# KiCad board squishy.kicad_pcb
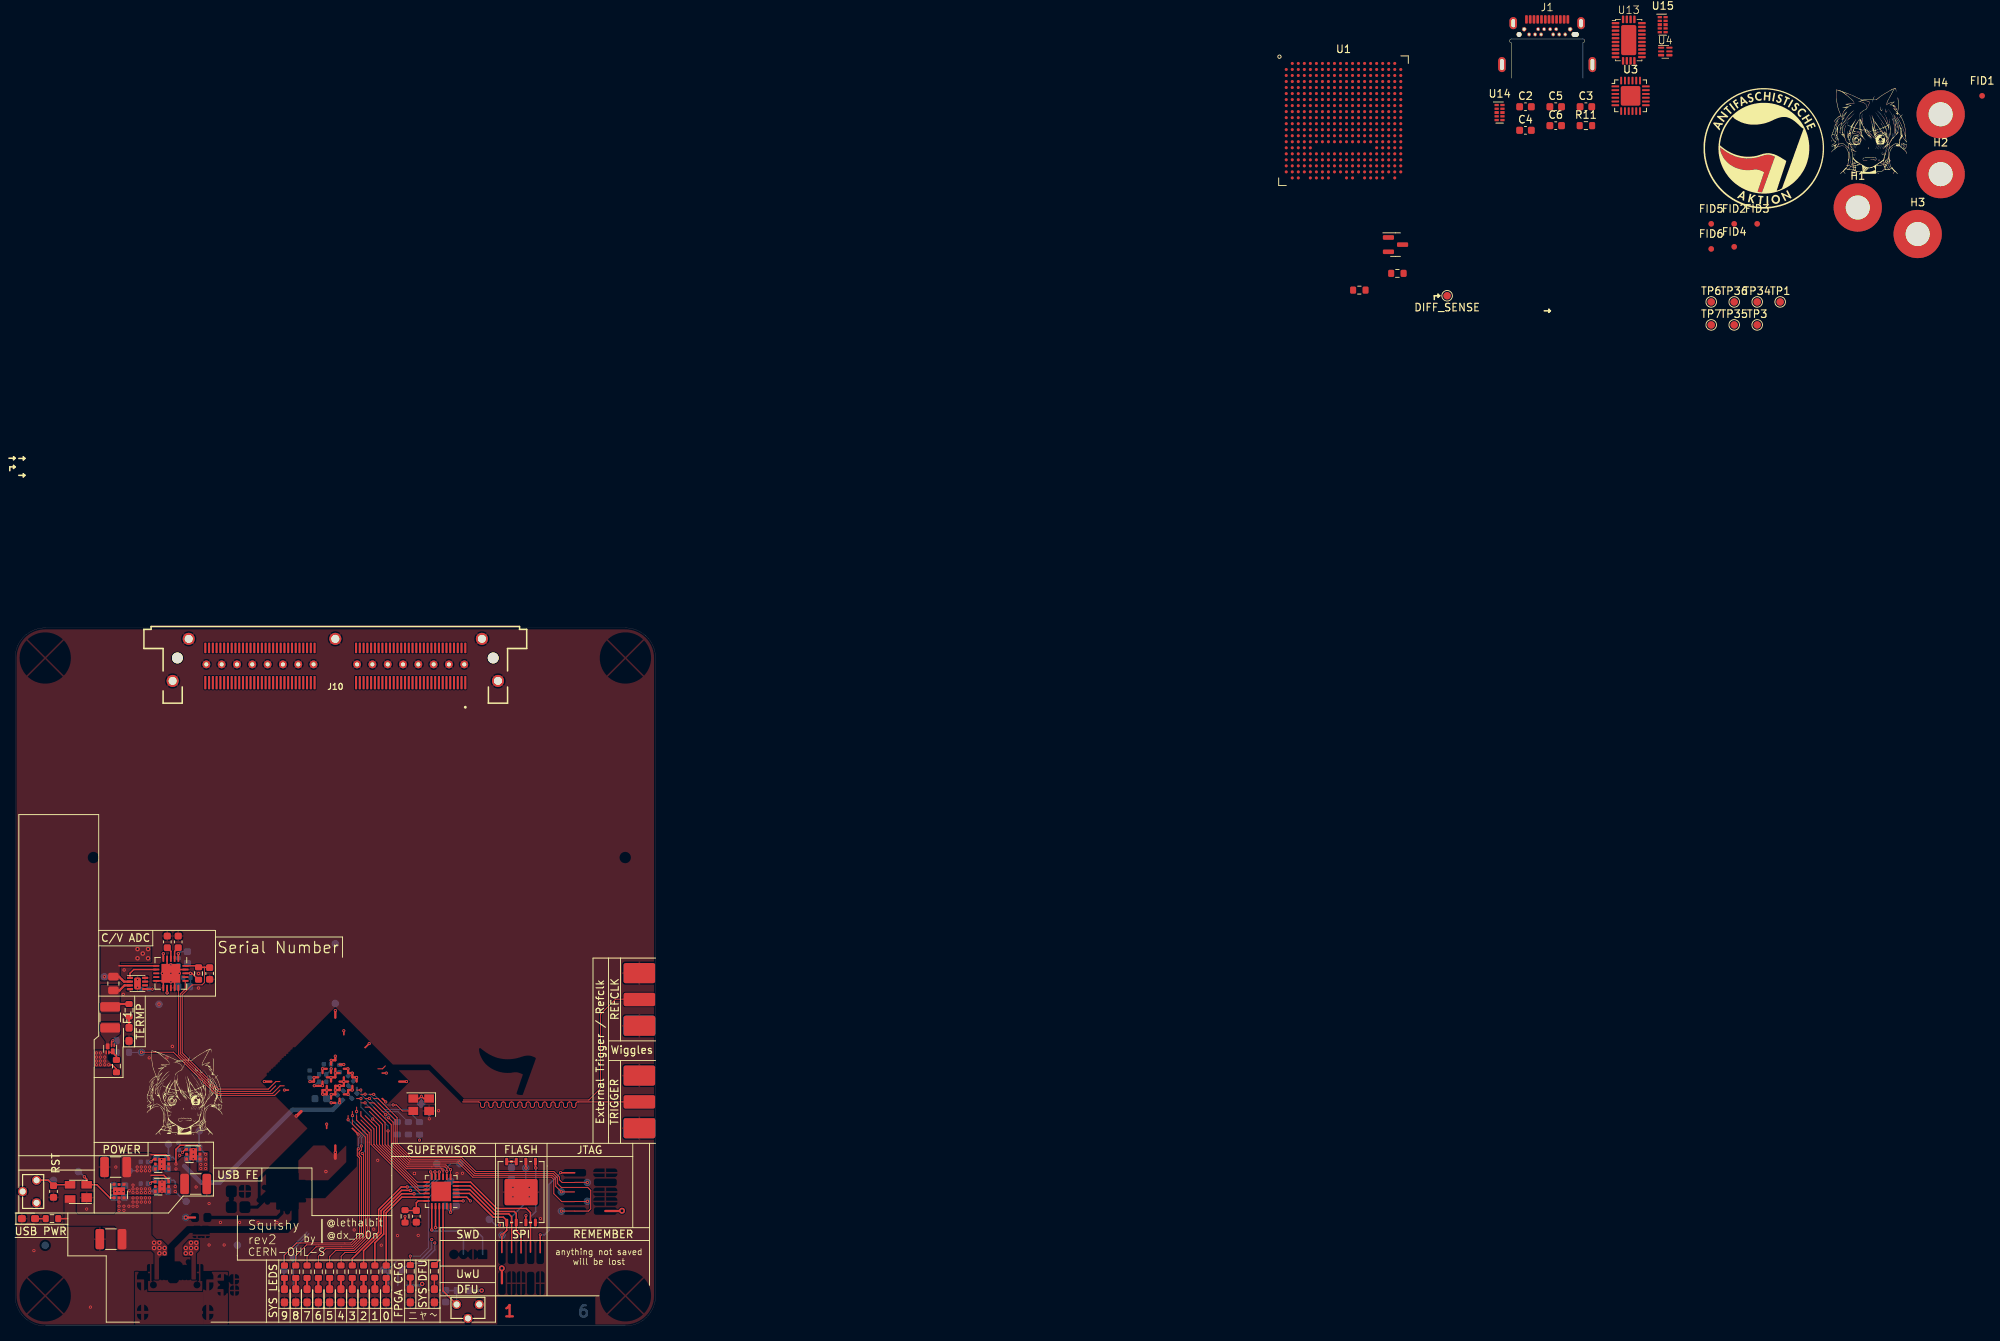
[diagram p0: board, top side]
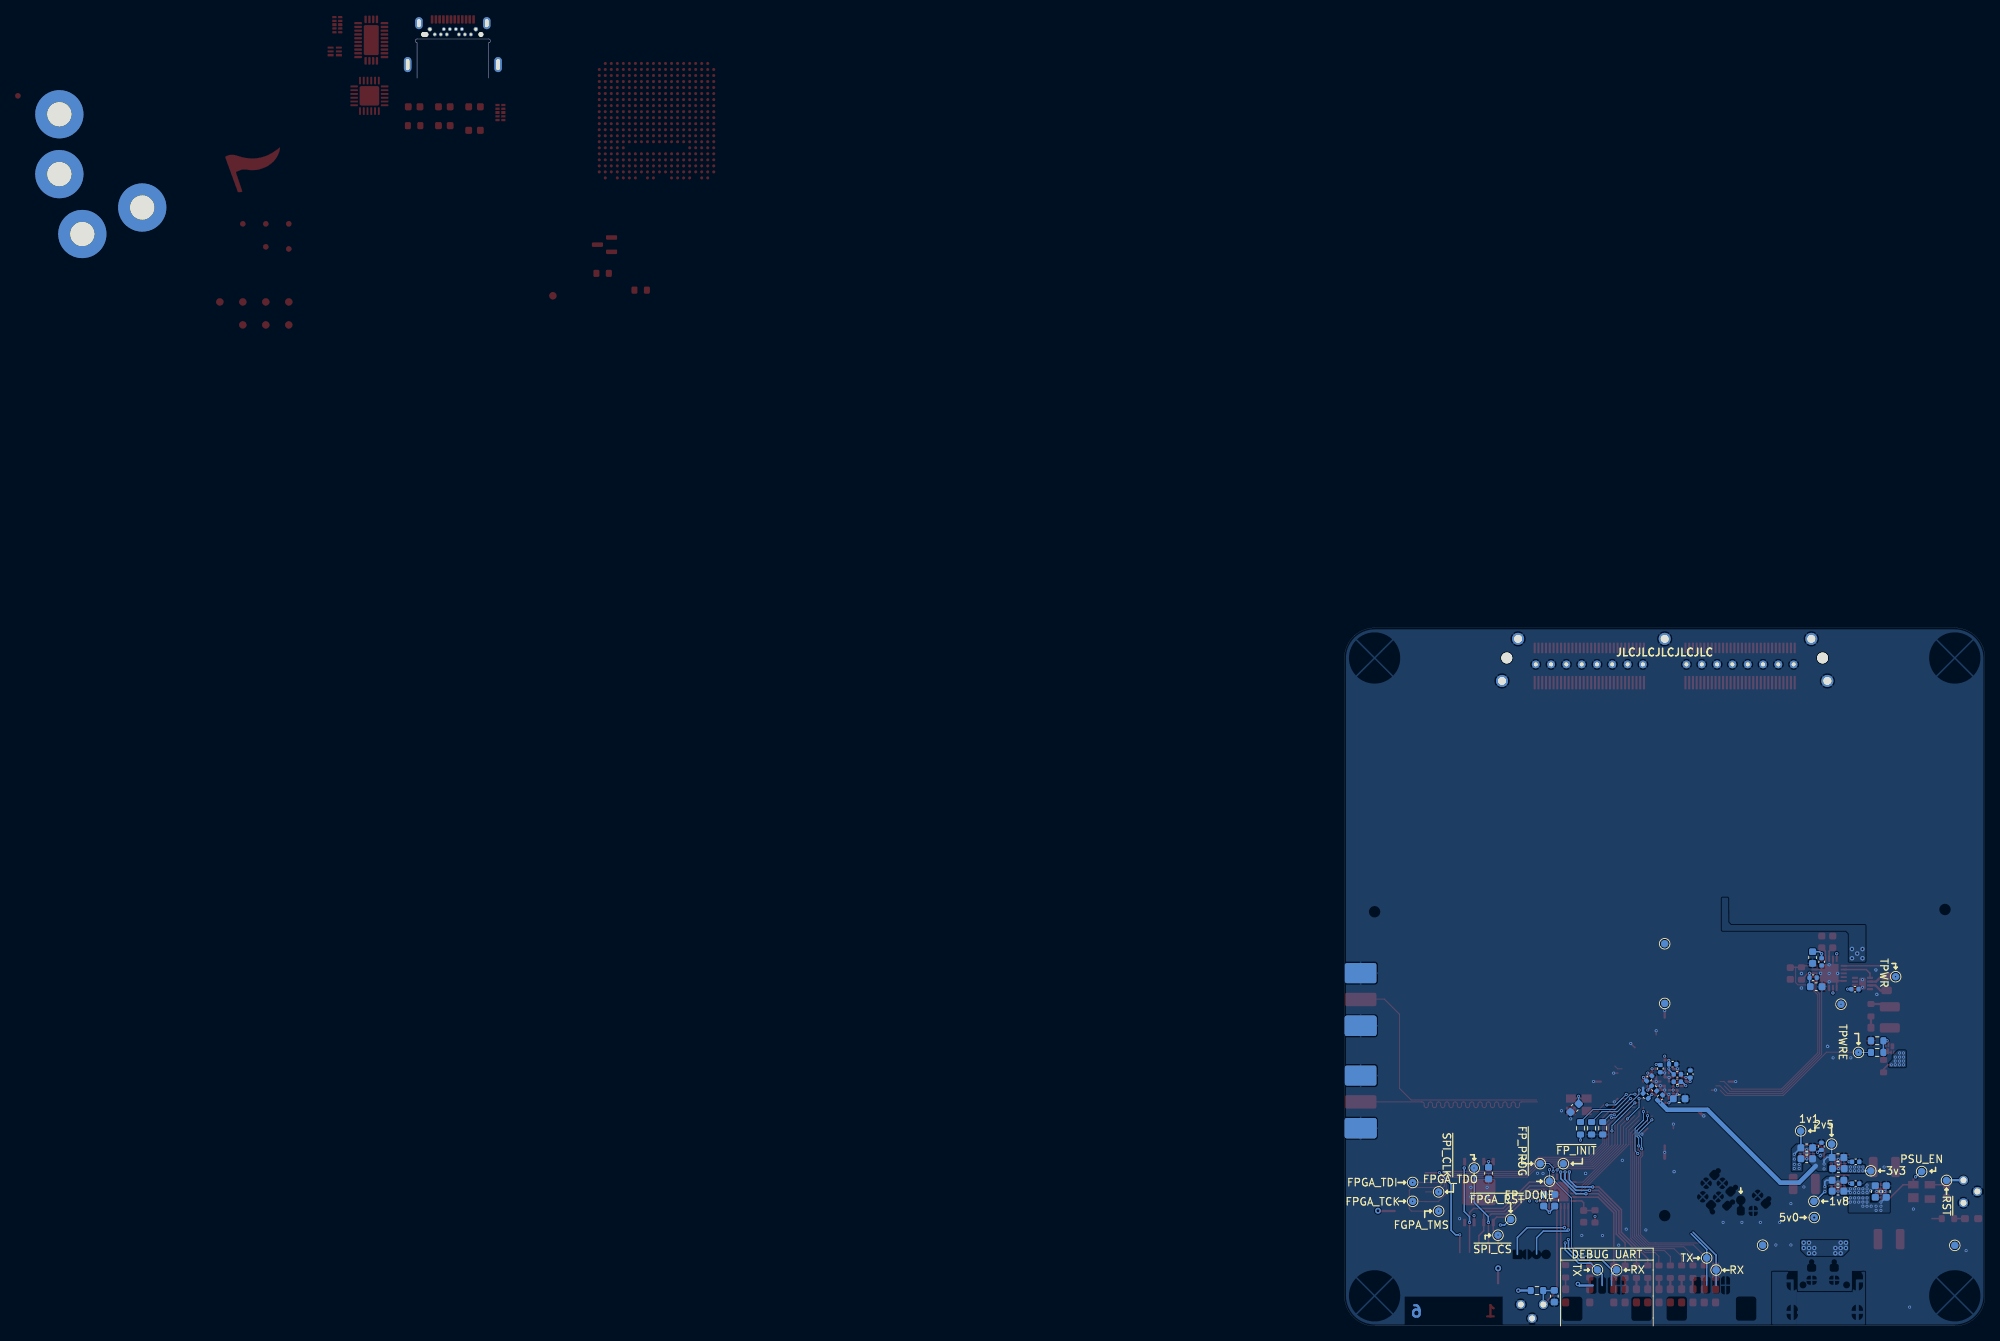
[diagram p1: board, bottom side, seen from below]

Outline 208.33 x 170.9 mm; copper layers: Top, In1.Cu (plane), In2.Cu (plane), In3.Cu, In4.Cu (plane), Bottom. Coordinates in mm from the lower left corner of the outline.
Outline path: 0,88.7 0,4 arc(1.17,1.17) 4,0 81,0 arc(83.83,1.17) 85,4 85,88.7 arc(83.83,91.53) 81,92.7 4,92.7 arc(1.17,91.53) 0,88.7
Stack: Top 0.035mm / dielectric 0.1mm FR4 er 4.05 / In1.Cu 0.0175mm / dielectric 0.565mm FR4 er 4.6 / In2.Cu 0.0175mm / dielectric 0.127mm FR4 er 4.27 / In3.Cu 0.0175mm / dielectric 0.565mm FR4 er 4.6 / In4.Cu 0.0175mm / dielectric 0.1mm FR4 er 4.05 / Bottom 0.035mm

## Placement (name value [footprint] x y rotation side)
C1  0.01uF  [C_0603_1608Metric]  54.45 28.95 315 bottom
C2  0.1uF  [C_0603_1608Metric]  200.45 161.9 0 top
C3  0.1uF  [C_0603_1608Metric]  208.47 161.9 0 top
C4  1uF  [C_0603_1608Metric]  200.45 158.77 0 top
C5  1nF  [C_0603_1608Metric]  204.46 161.9 0 top
C6  0.1uF  [C_0603_1608Metric]  204.46 159.39 0 top
C7  22uF  [C_1210_3225Metric]  23.98 18.85 180 top
C8  47uF  [C_1210_3225Metric]  13.35 21.1 0 top
C9  100uF  [C_1210_3225Metric]  12.73 11.53 180 top
C10  1uF  [C_0603_1608Metric]  5.1 17.85 270 top
C11  0.1uF  [C_0603_1608Metric]  65.88 20.28 270 bottom
C12  0.1uF  [C_0603_1608Metric]  58.55 16.7 90 bottom
C13  1uF  [C_0603_1608Metric]  57.1 16.7 90 bottom
C14  1uF  [C_0603_1608Metric]  53.25 14.55 270 top
C15  0.01uF  [C_0603_1608Metric]  57.15 3.95 270 bottom
C16  1uF  [C_0603_1608Metric]  13.1 17.85 90 bottom
C17  1uF  [C_0603_1608Metric]  14.55 17.85 270 bottom
C18  0.1uF  [C_0402_1005Metric]  40.83 32.43 0 bottom
C19  1uF  [C_0603_1608Metric]  19.45 20.9 0 bottom
C20  0.1uF  [C_0402_1005Metric]  17.15 21.8 180 bottom
C21  0.1uF  [C_0402_1005Metric]  45.03 30.55 45 bottom
C22  0.1uF  [C_0402_1005Metric]  40.83 33.4 180 bottom
C23  0.1uF  [C_0402_1005Metric]  43.9 31.55 225 bottom
C24  1uF  [C_0603_1608Metric]  19.5 22.35 180 bottom
C25  0.1uF  [C_0402_1005Metric]  43.08 34.18 270 bottom
C26  0.1uF  [C_0402_1005Metric]  43.12 30.33 135 bottom
C27  1uF  [C_0603_1608Metric]  19.5 17.9 0 bottom
C28  2.2uF  [C_0603_1608Metric]  40.58 30.18 180 bottom
C29  0.1uF  [C_0402_1005Metric]  44.55 32.88 135 bottom
C30  0.1uF  [C_0402_1005Metric]  39.1 33.45 90 bottom
C31  0.1uF  [C_0402_1005Metric]  41.45 34.75 180 bottom
C32  0.1uF  [C_0402_1005Metric]  17.15 18.9 180 bottom
C33  1uF  [C_0603_1608Metric]  19.5 19.35 180 bottom
C34  1uF  [C_0603_1608Metric]  23.65 22.2 0 bottom
C35  0.1uF  [C_0402_1005Metric]  21.7 23.85 90 bottom
C36  1uF  [C_0603_1608Metric]  23.65 23.65 180 bottom
C37  1uF  [C_0603_1608Metric]  21.65 51 90 top
C38  2.2uF  [C_0603_1608Metric]  20.2 51 90 top
C39  10uF  [C_0603_1608Metric]  22.88 48.93 270 bottom
C40  0.1uF  [C_0402_1005Metric]  21.67 48.35 270 bottom
C41  10uF  [C_0603_1608Metric]  22.4 45.05 180 bottom
C42  0.1uF  [C_0402_1005Metric]  22.8 46.25 180 bottom
C43  0.1uF  [C_0402_1005Metric]  17.25 44.73 0 bottom
C44  1uF  [C_0603_1608Metric]  25.83 46.8 270 top
D1  BLUE  [LED_0603_1608Metric_Pad1.05x0.95mm_HandSolder]  52.45 4 90 top
D2  BLUE  [LED_0603_1608Metric_Pad1.05x0.95mm_HandSolder]  47.75 4 90 top
D3  PINK  [LED_0603_1608Metric_Pad1.05x0.95mm_HandSolder]  44.75 4 90 top
D4  WHITE  [LED_0603_1608Metric_Pad1.05x0.95mm_HandSolder]  41.75 4 90 top
D5  PINK  [LED_0603_1608Metric_Pad1.05x0.95mm_HandSolder]  38.75 4 90 top
D6  BLUE  [LED_0603_1608Metric_Pad1.05x0.95mm_HandSolder]  35.75 4 90 top
D7  WHITE  [LED_0603_1608Metric_Pad1.05x0.95mm_HandSolder]  15.12 38.73 90 top
D8  BLUE  [LED_0603_1608Metric_Pad1.05x0.95mm_HandSolder]  49.25 4 90 top
D9  PINK  [LED_0603_1608Metric_Pad1.05x0.95mm_HandSolder]  46.25 4 90 top
D10  WHITE  [LED_0603_1608Metric_Pad1.05x0.95mm_HandSolder]  43.25 4 90 top
D11  PINK  [LED_0603_1608Metric_Pad1.05x0.95mm_HandSolder]  40.25 4 90 top
D12  BLUE  [LED_0603_1608Metric_Pad1.05x0.95mm_HandSolder]  37.25 4 90 top
D13  PINK  [LED_0603_1608Metric_Pad1.05x0.95mm_HandSolder]  55.65 4 90 top
D14  WHITE  [LED_0603_1608Metric_Pad1.05x0.95mm_HandSolder]  1.78 14.25 0 top
F1  250mA  [Fuse_1210_3225Metric]  12.62 40.98 270 top
FID1  Fiducial  [Fiducial_0.75mm_Mask1.5mm]  261.05 163.35 0 top
FID2  Fiducial  [Fiducial_0.75mm_Mask1.5mm]  228.15 146.35 0 top
FID3  Fiducial  [Fiducial_0.75mm_Mask1.5mm]  231.2 146.35 0 top
FID4  Fiducial  [Fiducial_0.75mm_Mask1.5mm]  228.15 143.3 0 top
FID5  Fiducial  [Fiducial_0.75mm_Mask1.5mm]  225.1 146.35 0 top
FID6  Fiducial  [Fiducial_0.75mm_Mask1.5mm]  225.1 143.02 0 top
G1  Ran-Filled  [yuki_10x11]  246.08 158.87 0 top
G2  Antifaschistische_Aktion  [Antifaschistische-Aktion_Inv_600dpi]  232.08 156.35 0 top
G2#2  Ran-Filled  [yuki_10x11]  22.5 31.3 0 top
H1  MountingHole  [MountingHole_3.2mm_M3_Pad]  244.55 148.52 0 top
H2  MountingHole  [MountingHole_3.2mm_M3_Pad]  255.55 152.95 0 top
H3  MountingHole  [MountingHole_3.2mm_M3_Pad]  252.5 145 0 top
H4  MountingHole  [MountingHole_3.2mm_M3_Pad]  255.55 160.9 0 top
J1  USB_C_Receptacle  [USB-3.1-Type-C_In-PCB]  203.32 171.1 0 top
J8  TRIGGER  [Molex_SMA_732512120]  85 29.75 270 top
J9  REFCLK  [Molex_SMA_732512120]  85 43.35 270 top
J10  QXH-060  [QTH-060-01-X-D-RA-PGP]  42.5 88.7 0 top
Q2  Q_NMOS_GSD  [SOT-23]  183.2 143.59 0 top
Q3  Q_NMOS_PMOS_D1G2S2D2G1S1  [X2-DFN1310-6]  12.62 36.8 180 top
R4  4k7  [R_0603_1608Metric]  52.45 7.25 270 top
R5  4k7  [R_0603_1608Metric]  47.75 7.2 270 top
R6  10k  [R_0603_1608Metric]  44.75 7.2 270 top
R7  6k8  [R_0603_1608Metric]  41.75 7.2 270 top
R8  10k  [R_0603_1608Metric]  38.75 7.2 270 top
R9  4k7  [R_0603_1608Metric]  35.75 7.2 270 top
R11  1M  [R_0603_1608Metric]  208.47 159.39 0 top
R14  10k  [R_0603_1608Metric]  178.4 137.55 0 top
R15  30k  [R_0603_1608Metric]  15.12 41.93 270 top
R16  10k  [R_0603_1608Metric]  183.45 139.78 0 top
R17  10k  [R_0603_1608Metric]  13.45 34.5 90 top
R18  10k  [R_0603_1608Metric]  14.3 37.88 0 bottom
R19  4k7  [R_0603_1608Metric]  49.25 7.2 270 top
R20  10k  [R_0603_1608Metric]  46.25 7.2 270 top
R21  6k8  [R_0603_1608Metric]  43.25 7.2 270 top
R22  10k  [R_0603_1608Metric]  40.25 7.2 270 top
R23  4k7  [R_0603_1608Metric]  37.25 7.2 270 top
R24  10k  [R_0603_1608Metric]  55.65 7.25 270 top
R25  10k  [R_0603_1608Metric]  51.75 14.55 90 top
R26  10k  [R_0603_1608Metric]  59.45 4.7 180 bottom
R27  10k  [R_0603_1608Metric]  53.67 26.25 90 bottom
R28  10k  [R_0603_1608Metric]  52.2 26.25 270 bottom
R29  10k  [R_0603_1608Metric]  50.72 26.25 270 bottom
R30  100m  [R_0805_2012Metric]  13.05 45.48 90 top
R31  1k  [R_0603_1608Metric]  14.3 36.33 180 bottom
R32  10k  [R_0603_1608Metric]  4.9 14.25 180 top
R33  10k  [R_0603_1608Metric]  24.35 46.8 90 top
SW1  RST  [SW_Tactile_SPST_Angled_TC-1109DE]  2.85 17.85 90 top
SW2  DFU  [SW_Tactile_SPST_Angled_TC-1109DE]  60.1 2.85 180 top
TP1  SU_SWDIO  [TestPoint_Pad_D1.0mm]  234.25 135.98 0 top
TP2  TPWR  [TestPoint_Pad_D1.0mm]  11.85 46.38 270 bottom
TP3  SU_SWCLK  [TestPoint_Pad_D1.0mm]  231.2 132.93 0 top
TP4  RX  [TestPoint_Pad_D1.0mm]  35.67 7.43 0 bottom
TP5  TX  [TestPoint_Pad_D1.0mm]  36.92 9.03 180 bottom
TP6  PD_SWDIO  [TestPoint_Pad_D1.0mm]  225.1 135.98 0 top
TP7  PD_SWCLK  [TestPoint_Pad_D1.0mm]  225.1 132.93 0 top
TP8  TPWRE  [TestPoint_Pad_D1.0mm]  16.77 36.33 270 bottom
TP9  2v5  [TestPoint_Pad_D1.0mm]  20.35 24.15 0 bottom
TP10  5v0  [TestPoint_Pad_D1.0mm]  22.65 14.4 180 bottom
TP11  3v3  [TestPoint_Pad_D1.0mm]  15.15 20.6 0 bottom
TP12  1v8  [TestPoint_Pad_D1.0mm]  22.7 16.55 0 bottom
TP13  GND  [TestPoint_Pad_D1.0mm]  42.5 42.83 180 bottom
TP14  GND  [TestPoint_Pad_D1.0mm]  29.5 10.73 180 bottom
TP15  GND  [TestPoint_Pad_D1.0mm]  4 10.7 180 bottom
TP16  GND  [TestPoint_Pad_D1.0mm]  19.1 42.73 180 bottom
TP17  GND  [TestPoint_Pad_D1.0mm]  42.5 50.75 180 bottom
TP18  ~{SPI_CS}  [TestPoint_Pad_D1.0mm]  64.62 12.05 180 bottom
TP19  ~{SPI_CLK}  [TestPoint_Pad_D1.0mm]  67.78 20.98 270 bottom
TP20  1v1  [TestPoint_Pad_D1.0mm]  24.45 25.9 0 bottom
TP21  ~{RST}  [TestPoint_Pad_D1.0mm]  5.1 19.32 270 bottom
TP22  PSU_EN  [TestPoint_Pad_D1.0mm]  8.4 20.5 0 bottom
TP23  ~{FPGA_RST}  [TestPoint_Pad_D1.0mm]  62.94 14.15 180 bottom
TP24  DIFF_SENSE  [TestPoint_Pad_D1.0mm]  190.05 136.8 0 top
TP25  FGPA_TMS  [TestPoint_Pad_D1.0mm]  72.5 15.25 180 bottom
TP26  FPGA_TCK  [TestPoint_Pad_D1.0mm]  75.95 16.55 0 bottom
TP27  FPGA_TDO  [TestPoint_Pad_D1.0mm]  72.5 17.8 0 bottom
TP28  FPGA_TDI  [TestPoint_Pad_D1.0mm]  75.95 19.05 0 bottom
TP29  ~{FP_INIT}  [TestPoint_Pad_D1.0mm]  55.95 21.55 0 bottom
TP30  ~{FP_PROG}  [TestPoint_Pad_D1.0mm]  59.03 21.55 270 bottom
TP31  FP_DONE  [TestPoint_Pad_D1.0mm]  57.8 19.23 180 bottom
TP32  TX  [TestPoint_Pad_D1.0mm]  51.42 7.45 270 bottom
TP33  RX  [TestPoint_Pad_D1.0mm]  48.88 7.45 180 bottom
TP34  ~{DFU_TRIG}  [TestPoint_Pad_D1.0mm]  231.2 135.98 0 top
TP35  CIPO  [TestPoint_Pad_D1.0mm]  228.15 132.93 0 top
TP36  COPI  [TestPoint_Pad_D1.0mm]  228.15 135.98 0 top
U1  LFE5UM5G-45F-8BG381C  [318caBGA]  176.3 160.05 0 top
U2  W25N01GVZEIG  [WSON-8-1EP-6.0x8.0mm]  67.15 17.78 90 top
U3  CYPD3174-24  [QFN-24-1EP_4x4mm_P0.5mm_EP2.6x2.6mm]  214.4 163.35 0 top
U4  SP3400-02UTG  [UDFN-6L]  219 169.2 0 top
U5  APX811-40UG-7  [SOT-143]  8.4 17.8 180 top
U6  ATSAMD09D14A-M  [QFN-24-1EP_4x4mm_P0.5mm_EP2.6x2.6mm#2]  56.55 17.85 180 top
U7  TPS73733DRVR  [WSON-6-1EP_2x2mm_P0.65mm_EP1x1.6mm]  13.8 17.9 270 top
U8  TPS7A1125PDRVT  [WSON-6-1EP_2x2mm_P0.65mm_EP1x1.6mm]  19.5 21.5 180 top
U9  TPS7A1118PDRVT  [WSON-6-1EP_2x2mm_P0.65mm_EP1x1.6mm]  19.5 18.5 180 top
U10  TPS720115QDRVRQ1  [WSON-6-1EP_2x2mm_P0.65mm_EP1x1.6mm]  23.65 22.8 180 top
U11  AD7091R-5  [QFN-20-1EP_4x4mm_P0.5mm_EP2.5x2.5mm]  20.67 46.83 270 top
U12  INAx180  [WSON_8_2x2mm_1EP]  16.25 45.48 0 top
U13  HD3SS460  [WQFN-28-1EP_3.5x5.5_P0.5mm_EP2x4mm]  214.15 170.75 0 top
U14  TPD4E02B04DQA  [USON-10_2.5x1.0mm_P0.5mm]  197.01 161.13 0 top
U15  TPD4E02B04DQA  [USON-10_2.5x1.0mm_P0.5mm]  218.66 172.8 0 top
X1  16MHz  [Oscillator_SMD_Abracon_ASE-4Pin_3.2x2.5mm]  53.9 29.38 180 top

## Library data of the parts
C1 C15 = -: MFR: KEMET; MPN: C0402C103K3RACTU
C2 C3 C6 = -: MFR: KEMET; MPN: C0603C104M5RACTU
C4 C10 C13 C14 C16 C17 C19 C24 C27 C33 C34 C36 C37 C44 = -: MFR: Taiyo Yuden; MPN: UMK107BJ105KA-T
C7 = -: MFR: Taiyo Yuden
C8 = -: MFR: Taiyo Yuden; MPN: EMK325ABJ476KMHP
C9 = -: MFR: KEMET; MPN: C1210C107M4PAC7800
C11 C12 = -: MFR: KEMET; MPN: C0402C104M8PACTU
D1 D2 D6 D8 D12 = -: MFR: Wurth Electronics; MPN: 150060BS75000
D3 D5 D9 D11 D13 = -: MFR: Optosupply; MPN: OSK40603C1E
D4 D7 D10 D14 = -: MFR: ROHM Semiconductor; MPN: SMLEN3WBC8W1
F1 = -: MFR: Bel Fuse; MPN: 0ZCH0050FF2G
FID1-FID6 G1 G2 G2#2 H1-H4 TP1-TP36 = -: MFR: N/A; MPN: N/A
J1 = -: MFR: Jing ext of Electronic Co.; MPN: 918-418K2022C40000
J8 J9 = -: MFR: Molex; MPN: 732512120
J10 = -: MFR: samtec; MPN: QTH-060-01-X-D-RA-PGP
Q2 = -: MFR: Diodes Inc; MPN: DMN65D8L-7
Q3 = -: MFR: Diodes Inc; MPN: DMC3730UFL3
R4 R5 R9 R19 R23 = -: MFR: Vishay Dale; MPN: CRCW06034K70FKEA
R6 R8 R14 R16-R18 R20 R22 R24-R29 R33 = -: MFR: Vishay Dale; MPN: CRCW060310K0FKEA
R7 R21 R32 = -: MFR: Vishay Dale; MPN: CRCW06036K80FKEA
R11 = -: MFR: Vishay Dale; MPN: CRCW06031M00FKEA
R15 = -: MFR: YAGEO; MPN: RC0603FR-0730KL
SW1 = -: MFR: XKB Connectivity; MPN: TC-1109DE-C-D; Field6: A; Field7: K; Field8: J; Field9: G; Field10: L; Field11: E; Field12: I; Field13: F; Field14: B; Field15: H
SW2 = -: MFR: XKB Connectivity; MPN: TC-1109DE-C-D
U1 = -: MFR: Lattice
U2 = -: MFR: Winbond; MPN: W25N01GVZEIG TR
U3 = -: MFR: Cypress; MPN: CYPD3174-24LQXQ; OC_FARNELL: 2896248; URL_FARNELL: https://uk.farnell.com/cypress-semiconductor/cypd3174-24lqxq/usb-type-c-pd-controller-qfn-24/dp/2896248
U4 = -: MFR: Littlefuse
U5 = -: MFR: Diodes Incorporated
U6 = -: MFR: Microchip; MPN: ATSAMD09D14A-MUT
U7-U10 U14 U15 = -: MFR: Texas Instruments
U11 = -: MFR: Analog Devices; MPN: AD7091R-5BCPZ-RL7
U12 = -: MFR: Texas Instruments; MPN: INA2180A3IDSGR
U13 = -: MFR: Texas Instruments; OC_TI: HD3SS460RHRT; URL_TI: https://www.ti.com/product/HD3SS460
X1 = -: MFR: Abracon; MPN: ASEMB-16.000MHZ-LY-T

## Footprints (pads in the part's own frame, mm; a bottom-side part is the same pattern mirrored in y, then rotated)
318caBGA
  round 0.4 smd: A2(-6.8,7.6) A3(-6,7.6) A4(-5.2,7.6) A5(-4.4,7.6) A6(-3.6,7.6) A7(-2.8,7.6) A8(-2,7.6) A9(-1.2,7.6) A10(-0.4,7.6) A11(0.4,7.6) A12(1.2,7.6) A13(2,7.6) A14(2.8,7.6) A15(3.6,7.6) A16(4.4,7.6) A17(5.2,7.6) A18(6,7.6) A19(6.8,7.6) B1(-7.6,6.8) B2(-6.8,6.8) B3(-6,6.8) B4(-5.2,6.8) B5(-4.4,6.8) B6(-3.6,6.8) B7(-2.8,6.8) B8(-2,6.8) B9(-1.2,6.8) B10(-0.4,6.8) B11(0.4,6.8) B12(1.2,6.8) B13(2,6.8) B14(2.8,6.8) B15(3.6,6.8) B16(4.4,6.8) B17(5.2,6.8) B18(6,6.8) B19(6.8,6.8) B20(7.6,6.8) C1(-7.6,6) C2(-6.8,6) C3(-6,6) C4(-5.2,6) C5(-4.4,6) C6(-3.6,6) C7(-2.8,6) C8(-2,6) C9(-1.2,6) C10(-0.4,6) C11(0.4,6) C12(1.2,6) C13(2,6) C14(2.8,6) C15(3.6,6) C16(4.4,6) C17(5.2,6) C18(6,6) C19(6.8,6) C20(7.6,6) D1(-7.6,5.2) D2(-6.8,5.2) D3(-6,5.2) D4(-5.2,5.2) D5(-4.4,5.2) D6(-3.6,5.2) D7(-2.8,5.2) D8(-2,5.2) D9(-1.2,5.2) D10(-0.4,5.2) D11(0.4,5.2) D12(1.2,5.2) D13(2,5.2) D14(2.8,5.2) D15(3.6,5.2) D16(4.4,5.2) D17(5.2,5.2) D18(6,5.2) D19(6.8,5.2) D20(7.6,5.2) E1(-7.6,4.4) E2(-6.8,4.4) E3(-6,4.4) E4(-5.2,4.4) E5(-4.4,4.4) E6(-3.6,4.4) E7(-2.8,4.4) E8(-2,4.4) E9(-1.2,4.4) E10(-0.4,4.4) E11(0.4,4.4) E12(1.2,4.4) E13(2,4.4) E14(2.8,4.4) E15(3.6,4.4) E16(4.4,4.4) E17(5.2,4.4) E18(6,4.4) E19(6.8,4.4) E20(7.6,4.4) F1(-7.6,3.6) F2(-6.8,3.6) F3(-6,3.6) F4(-5.2,3.6) F5(-4.4,3.6) F6(-3.6,3.6) F7(-2.8,3.6) F8(-2,3.6) F9(-1.2,3.6) F10(-0.4,3.6) F11(0.4,3.6) F12(1.2,3.6) F13(2,3.6) F14(2.8,3.6) F15(3.6,3.6) F16(4.4,3.6) F17(5.2,3.6) F18(6,3.6) F19(6.8,3.6) F20(7.6,3.6) G1(-7.6,2.8) G2(-6.8,2.8) G3(-6,2.8) G4(-5.2,2.8) G5(-4.4,2.8) G6(-3.6,2.8) G7(-2.8,2.8) G8(-2,2.8) G9(-1.2,2.8) G10(-0.4,2.8) G11(0.4,2.8) G12(1.2,2.8) G13(2,2.8) G14(2.8,2.8) G15(3.6,2.8) G16(4.4,2.8) G17(5.2,2.8) G18(6,2.8) G19(6.8,2.8) G20(7.6,2.8) H1(-7.6,2) H2(-6.8,2) H3(-6,2) H4(-5.2,2) H5(-4.4,2) H6(-3.6,2) H7(-2.8,2) H8(-2,2) H9(-1.2,2) H10(-0.4,2) H11(0.4,2) H12(1.2,2) H13(2,2) H14(2.8,2) H15(3.6,2) H16(4.4,2) H17(5.2,2) H18(6,2) H19(6.8,2) H20(7.6,2) J1(-7.6,1.2) J2(-6.8,1.2) J3(-6,1.2) J4(-5.2,1.2) J5(-4.4,1.2) J6(-3.6,1.2) J7(-2.8,1.2) J8(-2,1.2) J9(-1.2,1.2) J10(-0.4,1.2) J11(0.4,1.2) J12(1.2,1.2) J13(2,1.2) J14(2.8,1.2) J15(3.6,1.2) J16(4.4,1.2) J17(5.2,1.2) J18(6,1.2) J19(6.8,1.2) J20(7.6,1.2) K1(-7.6,0.4) K2(-6.8,0.4) K3(-6,0.4) K4(-5.2,0.4) K5(-4.4,0.4) K6(-3.6,0.4) K7(-2.8,0.4) K8(-2,0.4) K9(-1.2,0.4) K10(-0.4,0.4) K11(0.4,0.4) K12(1.2,0.4) K13(2,0.4) K14(2.8,0.4) K15(3.6,0.4) K16(4.4,0.4) K17(5.2,0.4) K18(6,0.4) K19(6.8,0.4) K20(7.6,0.4) L1(-7.6,-0.4) L2(-6.8,-0.4) L3(-6,-0.4) L4(-5.2,-0.4) L5(-4.4,-0.4) L6(-3.6,-0.4) L7(-2.8,-0.4) L8(-2,-0.4) L9(-1.2,-0.4) L10(-0.4,-0.4) L11(0.4,-0.4) L12(1.2,-0.4) L13(2,-0.4) L14(2.8,-0.4) L15(3.6,-0.4) L16(4.4,-0.4) L17(5.2,-0.4) L18(6,-0.4) L19(6.8,-0.4) L20(7.6,-0.4) M1(-7.6,-1.2) M2(-6.8,-1.2) M3(-6,-1.2) M4(-5.2,-1.2) M5(-4.4,-1.2) M6(-3.6,-1.2) M7(-2.8,-1.2) M8(-2,-1.2) M9(-1.2,-1.2) M10(-0.4,-1.2) M11(0.4,-1.2) M12(1.2,-1.2) M13(2,-1.2) M14(2.8,-1.2) M15(3.6,-1.2) M16(4.4,-1.2) M17(5.2,-1.2) M18(6,-1.2) M19(6.8,-1.2) M20(7.6,-1.2) N1(-7.6,-2) N2(-6.8,-2) N3(-6,-2) N4(-5.2,-2) N5(-4.4,-2) N6(-3.6,-2) N7(-2.8,-2) N8(-2,-2) N9(-1.2,-2) N10(-0.4,-2) N11(0.4,-2) N12(1.2,-2) N13(2,-2) N14(2.8,-2) N15(3.6,-2) N16(4.4,-2) N17(5.2,-2) N18(6,-2) N19(6.8,-2) N20(7.6,-2) P1(-7.6,-2.8) P2(-6.8,-2.8) P3(-6,-2.8) P4(-5.2,-2.8) P5(-4.4,-2.8) P6(-3.6,-2.8) P7(-2.8,-2.8) P8(-2,-2.8) P9(-1.2,-2.8) P10(-0.4,-2.8) P11(0.4,-2.8) P12(1.2,-2.8) P13(2,-2.8) P14(2.8,-2.8) P15(3.6,-2.8) P16(4.4,-2.8) P17(5.2,-2.8) P18(6,-2.8) P19(6.8,-2.8) P20(7.6,-2.8) R1(-7.6,-3.6) R2(-6.8,-3.6) R3(-6,-3.6) R4(-5.2,-3.6) R5(-4.4,-3.6) R16(4.4,-3.6) R17(5.2,-3.6) R18(6,-3.6) R19(6.8,-3.6) R20(7.6,-3.6) T1(-7.6,-4.4) T2(-6.8,-4.4) T3(-6,-4.4) T4(-5.2,-4.4) T5(-4.4,-4.4) T6(-3.6,-4.4) T7(-2.8,-4.4) T8(-2,-4.4) T9(-1.2,-4.4) T10(-0.4,-4.4) T11(0.4,-4.4) T12(1.2,-4.4) T13(2,-4.4) T14(2.8,-4.4) T15(3.6,-4.4) T16(4.4,-4.4) T17(5.2,-4.4) T18(6,-4.4) T19(6.8,-4.4) T20(7.6,-4.4) U1(-7.6,-5.2) U2(-6.8,-5.2) U3(-6,-5.2) U4(-5.2,-5.2) U5(-4.4,-5.2) U6(-3.6,-5.2) U7(-2.8,-5.2) U8(-2,-5.2) U9(-1.2,-5.2) U10(-0.4,-5.2) U11(0.4,-5.2) U12(1.2,-5.2) U13(2,-5.2) U14(2.8,-5.2) U15(3.6,-5.2) U16(4.4,-5.2) U17(5.2,-5.2) U18(6,-5.2) U19(6.8,-5.2) U20(7.6,-5.2) V1(-7.6,-6) V2(-6.8,-6) V3(-6,-6) V4(-5.2,-6) V5(-4.4,-6) V6(-3.6,-6) V7(-2.8,-6) V8(-2,-6) V9(-1.2,-6) V10(-0.4,-6) V11(0.4,-6) V12(1.2,-6) V13(2,-6) V14(2.8,-6) V15(3.6,-6) V16(4.4,-6) V17(5.2,-6) V18(6,-6) V19(6.8,-6) V20(7.6,-6) W1(-7.6,-6.8) W2(-6.8,-6.8) W3(-6,-6.8) W4(-5.2,-6.8) W5(-4.4,-6.8) W6(-3.6,-6.8) W7(-2.8,-6.8) W8(-2,-6.8) W9(-1.2,-6.8) W10(-0.4,-6.8) W11(0.4,-6.8) W12(1.2,-6.8) W13(2,-6.8) W14(2.8,-6.8) W15(3.6,-6.8) W16(4.4,-6.8) W17(5.2,-6.8) W18(6,-6.8) W19(6.8,-6.8) W20(7.6,-6.8) Y2(-6.8,-7.6) Y3(-6,-7.6) Y5(-4.4,-7.6) Y6(-3.6,-7.6) Y7(-2.8,-7.6) Y8(-2,-7.6) Y11(0.4,-7.6) Y12(1.2,-7.6) Y14(2.8,-7.6) Y15(3.6,-7.6) Y16(4.4,-7.6) Y17(5.2,-7.6) Y19(6.8,-7.6)
C_0402_1005Metric
  rrect 0.56x0.62 smd: 1(-0.48,0) 2(0.48,0)
C_0603_1608Metric
  rrect 0.9x0.95 smd: 1(-0.775,0) 2(0.775,0)
C_1210_3225Metric
  rrect 1.15x2.7 smd: 1(-1.475,0) 2(1.475,0)
Fiducial_0.75mm_Mask1.5mm
  round 0.75 smd: (0,0)
Fuse_1210_3225Metric
  rrect 1.25x2.65 smd: 1(-1.4,0) 2(1.4,0)
LED_0603_1608Metric_Pad1.05x0.95mm_HandSolder
  rrect 1.05x0.95 smd: 1(-0.875,0) 2(0.875,0)
Molex_SMA_732512120
  rrect 1.78x4.19 smd: 1(0,-2.15)
  rrect 2.665x4.19 smd: 2(-3.5,-2.15) 2(3.493,-2.14)
  rrect 2.665x4.19 smd far side: 2(-3.5,-2.15) 2(3.49,-2.14) 2(3.493,-2.15) 2(3.493,-2.15)
MountingHole_3.2mm_M3_Pad
  round 6.4 hole 3.2: 1(0,0)
Oscillator_SMD_Abracon_ASE-4Pin_3.2x2.5mm
  rect 1.3x1.1 smd: 1(-1.05,-0.825) 2(1.05,-0.825) 3(1.05,0.825) 4(-1.05,0.825)
QFN-20-1EP_4x4mm_P0.5mm_EP2.5x2.5mm
  rrect 1.01x1.01 smd: (-0.625,0.625) (-0.625,-0.625) (0.625,0.625) (0.625,-0.625)
  rrect 0.825x0.25 smd: 1(-1.938,1) 2(-1.938,0.5) 3(-1.938,0) 4(-1.938,-0.5) 5(-1.938,-1) 11(1.938,-1) 12(1.938,-0.5) 13(1.938,0) 14(1.938,0.5) 15(1.938,1)
  rrect 0.25x0.825 smd: 6(-1,-1.938) 7(-0.5,-1.938) 8(0,-1.938) 9(0.5,-1.938) 10(1,-1.938) 16(1,1.938) 17(0.5,1.938) 18(0,1.938) 19(-0.5,1.938) 20(-1,1.938)
  rect 2.5x2.5 smd: 21(0,0)
QFN-24-1EP_4x4mm_P0.5mm_EP2.6x2.6mm
  rrect 1.05x1.05 smd: (-0.65,0.65) (-0.65,-0.65) (0.65,0.65) (0.65,-0.65)
  rrect 1x0.25 smd: 1(-2.025,1.25) 2(-2.025,0.75) 3(-2.025,0.25) 4(-2.025,-0.25) 5(-2.025,-0.75) 6(-2.025,-1.25) 13(2.025,-1.25) 14(2.025,-0.75) 15(2.025,-0.25) 16(2.025,0.25) 17(2.025,0.75) 18(2.025,1.25)
  rrect 0.25x1 smd: 7(-1.25,-2.025) 8(-0.75,-2.025) 9(-0.25,-2.025) 10(0.25,-2.025) 11(0.75,-2.025) 12(1.25,-2.025) 19(1.25,2.025) 20(0.75,2.025) 21(0.25,2.025) 22(-0.25,2.025) 23(-0.75,2.025) 24(-1.25,2.025)
  rrect 2.6x2.6 smd: 25(0,0)
QFN-24-1EP_4x4mm_P0.5mm_EP2.6x2.6mm#2
  rrect 1.05x1.05 smd: (-0.65,0.65) (-0.65,-0.65) (0.65,0.65) (0.65,-0.65)
  rrect 0.825x0.25 smd: 1(-1.938,1.25) 2(-1.938,0.75) 3(-1.938,0.25) 4(-1.938,-0.25) 5(-1.938,-0.75) 6(-1.938,-1.25) 13(1.938,-1.25) 14(1.938,-0.75) 15(1.938,-0.25) 16(1.938,0.25) 17(1.938,0.75) 18(1.938,1.25)
  rrect 0.25x0.825 smd: 7(-1.25,-1.938) 8(-0.75,-1.938) 9(-0.25,-1.938) 10(0.25,-1.938) 11(0.75,-1.938) 12(1.25,-1.938) 19(1.25,1.938) 20(0.75,1.938) 21(0.25,1.938) 22(-0.25,1.938) 23(-0.75,1.938) 24(-1.25,1.938)
  rect 2.6x2.6 smd: 25(0,0)
QTH-060-01-X-D-RA-PGP
  round 1.448 hole 1.448 unplated: (-20.955,0) (20.955,0)
  rrect 0.279x1.778 smd: 01(17.252,-3.277) 03(16.752,-3.277) 05(16.252,-3.277) 07(15.752,-3.277) 09(15.252,-3.277) 11(14.752,-3.277) 13(14.252,-3.277) 15(13.752,-3.277) 17(13.252,-3.277) 19(12.752,-3.277) 21(12.252,-3.277) 23(11.752,-3.277) 25(11.252,-3.277) 27(10.752,-3.277) 29(10.252,-3.277) 31(9.752,-3.277) 33(9.252,-3.277) 35(8.752,-3.277) 37(8.252,-3.277) 39(7.752,-3.277) 41(7.252,-3.277) 43(6.752,-3.277) 45(6.252,-3.277) 47(5.752,-3.277) 49(5.252,-3.277) 51(4.752,-3.277) 53(4.252,-3.277) 55(3.752,-3.277) 57(3.252,-3.277) 59(2.752,-3.277) 61(-2.752,-3.277) 63(-3.252,-3.277) 65(-3.752,-3.277) 67(-4.252,-3.277) 69(-4.752,-3.277) 71(-5.252,-3.277) 73(-5.752,-3.277) 75(-6.252,-3.277) 77(-6.752,-3.277) 79(-7.252,-3.277) 81(-7.752,-3.277) 83(-8.252,-3.277) 85(-8.752,-3.277) 87(-9.252,-3.277) 89(-9.752,-3.277) 91(-10.252,-3.277) 93(-10.752,-3.277) 95(-11.252,-3.277) 97(-11.752,-3.277) 99(-12.252,-3.277) 101(-12.752,-3.277) 103(-13.252,-3.277) 105(-13.752,-3.277) 107(-14.252,-3.277) 109(-14.752,-3.277) 111(-15.252,-3.277) 113(-15.752,-3.277) 115(-16.252,-3.277) 117(-16.752,-3.277) 119(-17.252,-3.277)